# Altium PCB Spektrop2_PCB_Combined_CMV4000_V1.PcbDoc (part 6 of 6) (continued)
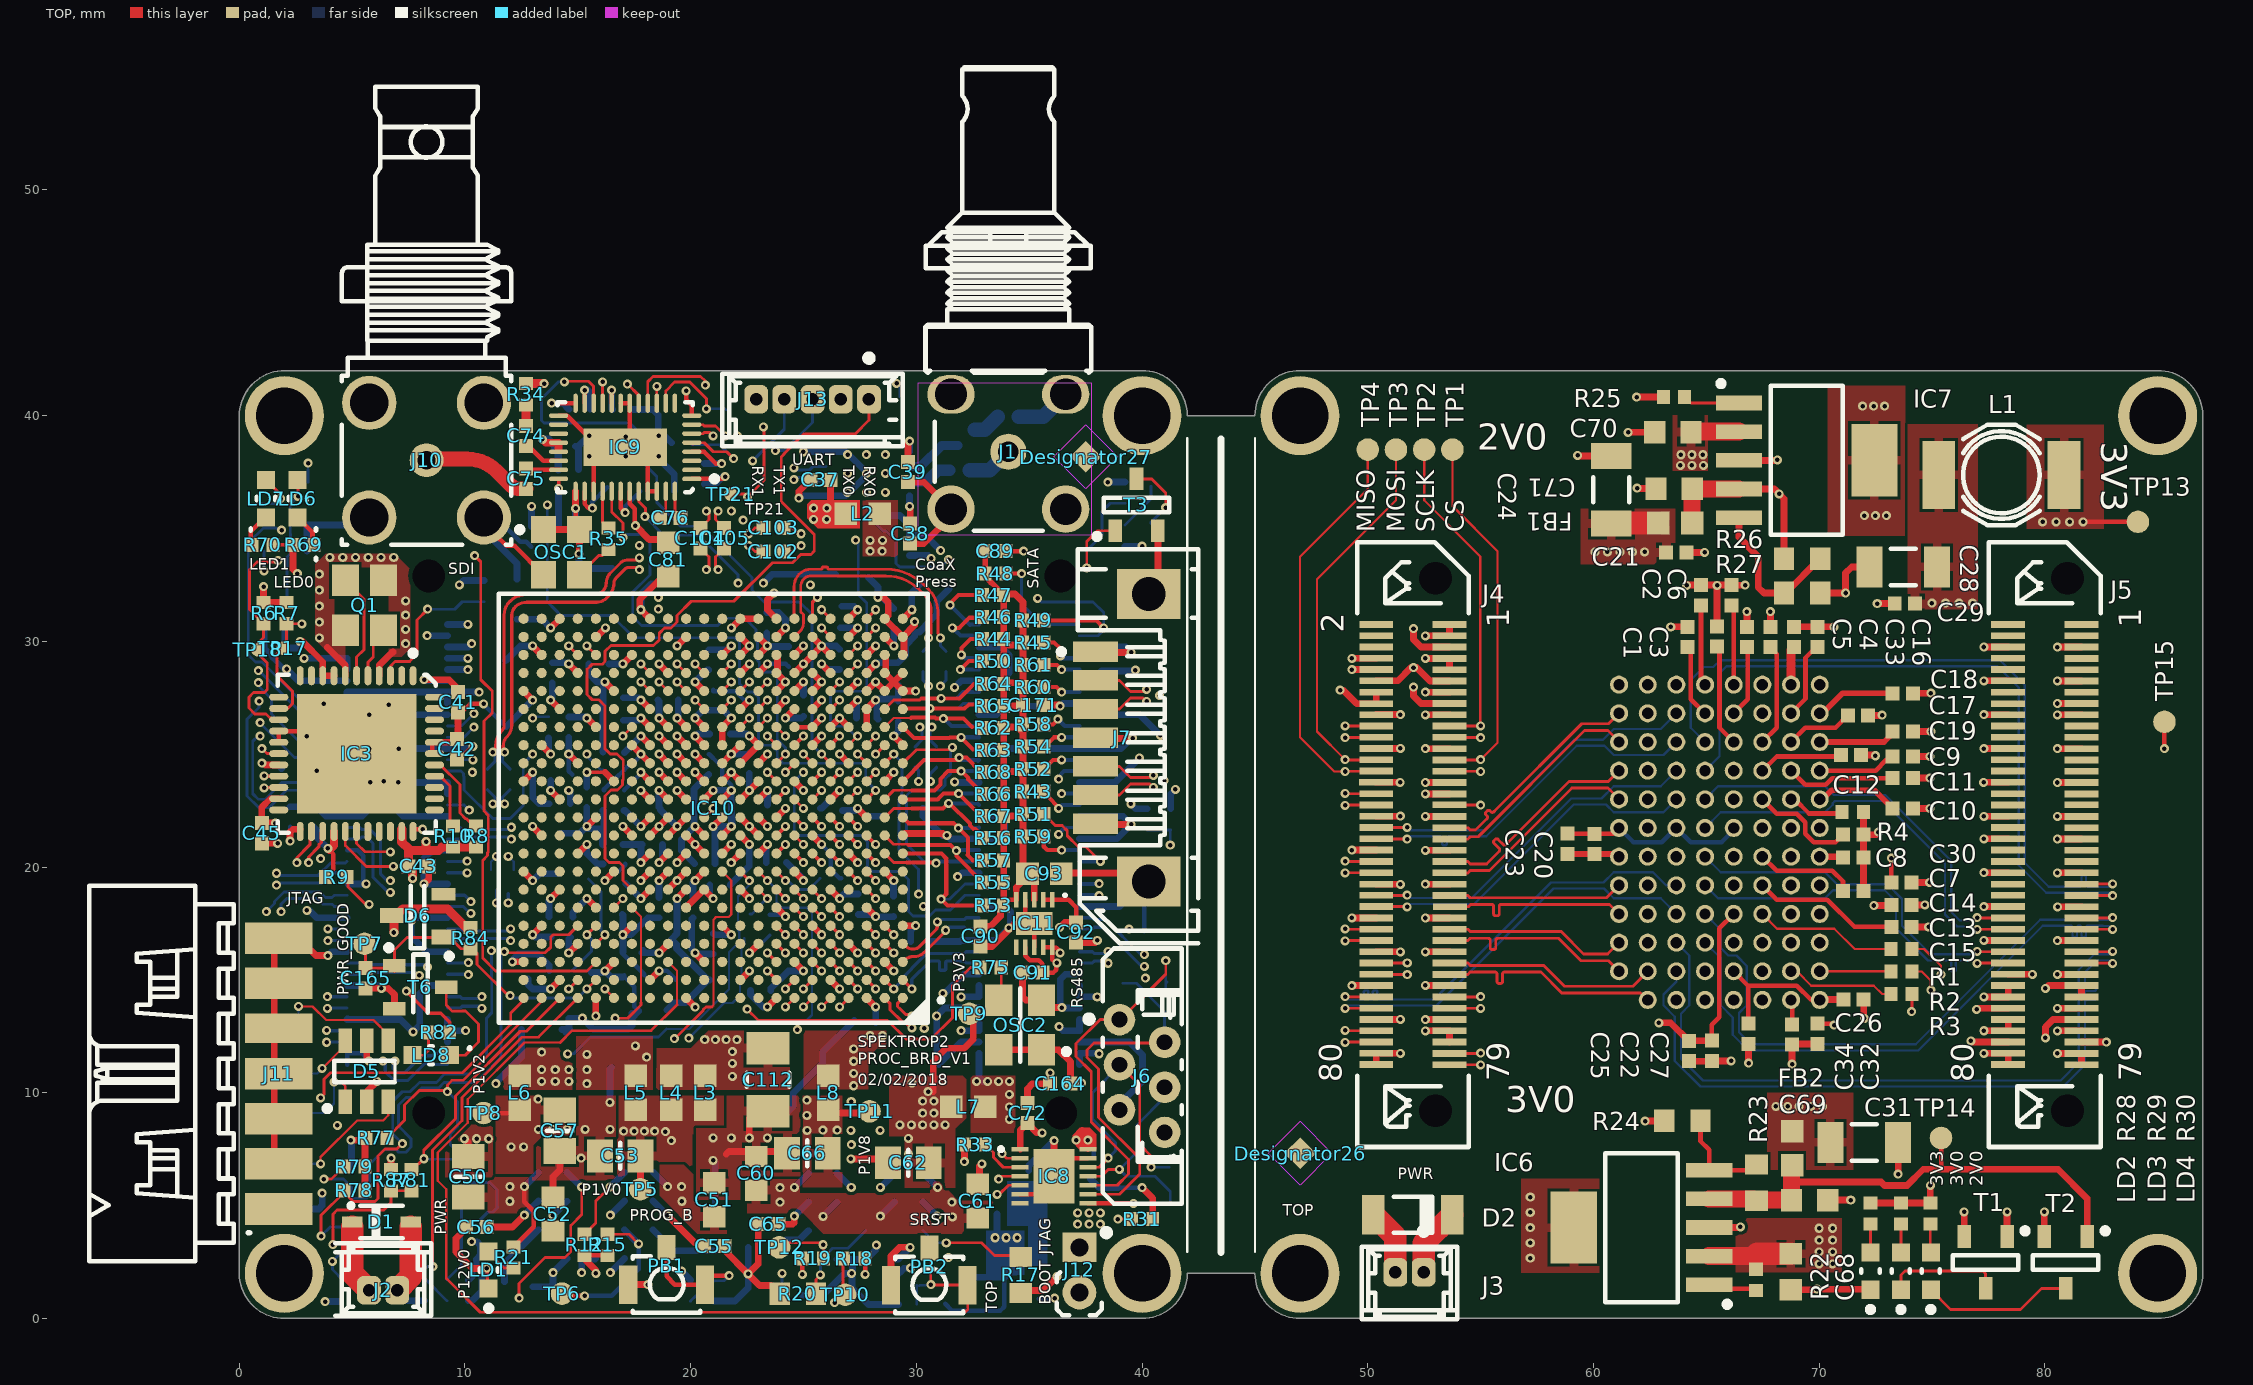
[diagram p0: TOP view]
## Polygon pours and split planes (outlines as drawn) (continued)
MGTAVCC on TOP "TOP_P1V2" (solid, remove dead copper, pour order 26): 18.315,10.125 14.925,10.125 14.925,12.5 18.315,12.5
P1V2 on TOP "TOP_P1V2" (solid, remove dead copper, pour order 8): 14.75,8 13.355,8 13.025,7.67 13.025,6.4 11.375,6.4 11.375,9.875 14.201,9.875 14.75,9.323
P1V8 on TOP "TOP_P1V2" (solid, remove dead copper, pour order 74): 28.661,11.975 28.261,11.975 27.861,11.575 27.861,10.15 25,10.15 25,12.75 28.661,12.75
P3V3_L on TOP "TOP_P1V2" (solid, remove dead copper, pour order 72): 31.725,10.75 32.05,10.75 32.2,10.6 32.2,8.875 31.9,8.575 31.725,8.4 31.725,5.785 29.475,5.785 29.475,8.075 28.8,8.075 28.8,10.75
P3V3 on TOP "TOP_P3V3" (solid, remove dead copper, pour order 68): 34.375,10.75 34.375,8.225 32.4,8.225 32.4,10.75
GND on TOP "TOP_GND" (solid, pour order 100): 14.925,9.875 14.925,7.875 14.85,7.8 14.83,7.82 13.175,7.82 12.975,7.62 12.975,6.125 16.675,6.125 16.675,9.875
VCCO_13 on L5 "L5_VCCO13" (solid, pour order 90): 7.35,27.475 13.225,27.475 14.4,26.3 21.062,26.3 21.062,30.034 21.028,30 15.5,30 14.6,30.9 7.775,30.9 7.775,29.494 3.856,29.494 2.375,29.494 2.375,27.475
P1V2_F on L5 "L5_P1V2_F" (solid, pour order 112): 26.925,36.725 26.925,38.636 27.814,39.525 30.15,39.537 30.15,35.875 29.425,35.15 25.25,35.15 25.25,36.725
GND on L2 "L2_GND" (solid, pour order 118): 4.5,42 4.5,34.25 12.25,34.25 12.25,42
GND on L3-1V8 "L3_GND" (solid, pour order 154): 45.2,41.496 45.2,-0.008 86.5,-0.008 86.5,41.496
VDD20 on L3-1V8 "Top Layer-VDD20" (solid, remove dead copper, pour order 152): 65.707,12.554 57.984,12.554 57.984,36.804 65.51,36.804 71.45,36.804 71.45,12.554
P1V8 on L3-1V8 "L3_P1V8" (solid, remove dead copper, pour order 2): -0.223,41.55 41.775,41.55 41.775,1.5 40.45,0.175 0.271,0.175
XTAL_GND on L1-GND (split plane): 7.696,33.378 7.696,29.804 7.546,29.654 3.704,29.654 3.298,30.06 3.298,33.39 3.887,33.978 7.095,33.978
GND on L1-GND (split plane): 85.176,41.791 85.351,41.765 85.522,41.722 85.689,41.663 85.848,41.587 86,41.496 86.142,41.391 86.273,41.273 86.391,41.142 86.496,41 86.587,40.848 86.663,40.689 86.722,40.522 86.765,40.351 86.791,40.176 86.799,40.007 86.798,40 86.798,2 86.798,1.999 86.8,1.991 86.8,1.988 86.791,1.812 86.765,1.639 86.723,1.469 86.664,1.304 86.589,1.145 86.498,0.995 86.394,0.854 86.276,0.724 86.146,0.606 86.005,0.502 85.855,0.411 85.696,0.336 85.531,0.277 85.361,0.235 85.188,0.209 85.012,0.2 85.009,0.2 85,0.202 47,0.202 46.992,0.201 46.824,0.209 46.649,0.235 46.478,0.278 46.311,0.337 46.152,0.413 46,0.504 45.858,0.609 45.727,0.727 45.609,0.858 45.504,1 45.413,1.152 45.337,1.311 45.278,1.478 45.235,1.649 45.209,1.824 45.201,1.993 45.202,2 45.195,2.052 45.175,2.101 45.143,2.143 45.101,2.175 45.052,2.195 45,2.202 45,39.798 45.052,39.805 45.101,39.825 45.143,39.857 45.175,39.899 45.195,39.948 45.202,40 45.201,40.007 45.209,40.176 45.235,40.351 45.278,40.522 45.337,40.689 45.413,40.848 45.504,41 45.609,41.142 45.727,41.273 45.858,41.391 46,41.496 46.152,41.587 46.311,41.663 46.478,41.722 46.649,41.765 46.824,41.791 46.993,41.799 47,41.798 85,41.798 85.007,41.799
GND on L1-GND (split plane): 2.025,41.798 32.975,41.798 32.975,40.513 31.422,39.075 31.135,39.075 30.136,38.15 29.075,38.15 29.075,36.75 30.725,36.75 31.175,37.2 35.971,37.2 36.615,37.85 36.615,38.91 35.2,40.325 35.2,41.798 40,41.798 40.007,41.799 40.176,41.791 40.351,41.765 40.522,41.722 40.689,41.663 40.848,41.587 41,41.496 41.142,41.391 41.273,41.273 41.391,41.142 41.496,41 41.587,40.848 41.663,40.689 41.722,40.522 41.765,40.351 41.791,40.176 41.799,40.007 41.798,40 41.805,39.948 41.825,39.899 41.857,39.857 41.899,39.825 41.948,39.805 42,39.798 42,2.202 41.948,2.195 41.899,2.175 41.857,2.143 41.825,2.101 41.805,2.052 41.798,2 41.799,1.993 41.791,1.824 41.765,1.649 41.722,1.478 41.663,1.311 41.587,1.152 41.496,1 41.391,0.858 41.273,0.727 41.142,0.609 41,0.504 40.848,0.413 40.689,0.337 40.522,0.278 40.351,0.235 40.176,0.209 40.007,0.201 40,0.202 2,0.202 1.992,0.201 1.824,0.209 1.649,0.235 1.478,0.278 1.311,0.337 1.152,0.413 1,0.504 0.858,0.609 0.727,0.727 0.609,0.858 0.504,1 0.413,1.152 0.337,1.311 0.278,1.478 0.235,1.649 0.209,1.824 0.201,1.992 0.202,2 0.202,39.975 0.201,39.983 0.209,40.154 0.235,40.331 0.279,40.505 0.339,40.673 0.416,40.835 0.508,40.989 0.614,41.133 0.735,41.265 0.867,41.385 1.011,41.492 1.165,41.584 1.327,41.661 1.495,41.721 1.669,41.765 1.846,41.791 2.017,41.799
VDD33 on L4-PWR (split plane): 77.077,31.898 77.077,30.824 76.805,30.551 76.791,30.531 76.786,30.506 76.786,28.586 76.791,28.561 76.805,28.54 76.923,28.422 76.923,27.093 76.923,18.409 76.928,18.384 76.936,18.373 76.936,11.822 75.574,10.46 72.764,10.46 72.764,12.596 72.759,12.62 72.745,12.641 71.845,13.541 71.824,13.555 71.8,13.56 69.826,13.56 69.464,13.922 69.464,17.896 69.459,17.92 69.445,17.941 66.964,20.422 66.964,27.17 67.126,27.332 69.1,27.332 69.124,27.337 69.145,27.351 69.445,27.651 69.459,27.672 69.464,27.696 69.464,29.096 69.464,29.676 69.459,29.701 69.445,29.721 69.017,30.149 68.996,30.163 68.972,30.168 64.824,30.168 64.824,30.656 65.37,31.202 66.4,32.232 76.743,32.232
VDDpix on L4-PWR (split plane): 69.336,29.65 69.336,29.096 69.336,28.996 69.336,27.722 69.074,27.46 67.1,27.46 67.076,27.455 67.055,27.441 66.855,27.241 66.841,27.22 66.836,27.196 66.836,20.396 66.841,20.372 66.855,20.351 69.336,17.87 69.336,13.896 69.341,13.872 69.355,13.851 69.755,13.451 69.776,13.437 69.8,13.432 71.774,13.432 72.636,12.57 72.636,9.06 66.526,9.06 64.164,11.422 64.164,29.401 64.803,30.04 68.946,30.04
P1V0 on L4-PWR (split plane): 29.349,26.068 29.349,18.814 27.355,16.82 27.341,16.799 27.337,16.777 25.754,15.194 25.74,15.174 25.735,15.149 25.735,12.626 23.877,10.767 23.009,9.899 18.464,9.899 18.464,10.935 18.464,12.616 18.459,12.641 18.445,12.661 17.039,14.068 17.039,15.335 17.039,17.775 17.039,25.749 17.801,26.511 29.349,26.511
P3V3 on L4-PWR (split plane): 85.176,41.791 85.351,41.765 85.522,41.722 85.689,41.663 85.848,41.587 86,41.496 86.142,41.391 86.273,41.273 86.391,41.142 86.496,41 86.587,40.848 86.663,40.689 86.722,40.522 86.765,40.351 86.791,40.176 86.799,40.007 86.798,40 86.798,2 86.798,1.999 86.8,1.991 86.8,1.988 86.791,1.812 86.765,1.639 86.723,1.469 86.664,1.304 86.589,1.145 86.498,0.995 86.394,0.854 86.276,0.724 86.146,0.606 86.005,0.502 85.855,0.411 85.696,0.336 85.531,0.277 85.361,0.235 85.188,0.209 85.012,0.2 85.009,0.2 85,0.202 47,0.202 46.992,0.201 46.824,0.209 46.649,0.235 46.478,0.278 46.311,0.337 46.152,0.413 46,0.504 45.858,0.609 45.727,0.727 45.609,0.858 45.504,1 45.413,1.152 45.337,1.311 45.278,1.478 45.235,1.649 45.209,1.824 45.201,1.993 45.202,2 45.195,2.052 45.175,2.101 45.143,2.143 45.101,2.175 45.052,2.195 45,2.202 45,39.798 45.052,39.805 45.101,39.825 45.143,39.857 45.175,39.899 45.195,39.948 45.202,40 45.201,40.007 45.209,40.176 45.235,40.351 45.278,40.522 45.337,40.689 45.413,40.848 45.504,41 45.609,41.142 45.727,41.273 45.858,41.391 46,41.496 46.152,41.587 46.311,41.663 46.478,41.722 46.649,41.765 46.824,41.791 46.993,41.799 47,41.798 85,41.798 85.007,41.799
P1V2 on L4-PWR (split plane): 30.555,33.78 30.576,33.766 30.6,33.761 31.124,33.761 33.638,31.247 33.638,30.574 33.643,30.549 33.656,30.528 33.836,30.349 33.836,17.026 31.169,14.359 31.155,14.338 31.15,14.314 31.15,12.54 26.674,8.064 12.518,8.064 12.518,10.036 14.949,10.036 15.195,9.79 15.216,9.776 15.24,9.771 23.035,9.771 23.059,9.776 23.08,9.79 23.967,10.677 25.844,12.554 25.858,12.575 25.863,12.599 25.863,15.123 27.445,16.705 27.459,16.726 27.463,16.748 29.457,18.742 29.471,18.763 29.476,18.787 29.476,26.068 29.476,26.586 30.245,27.355 30.259,27.376 30.264,27.4 30.264,31.435 30.259,31.459 30.245,31.48 28.93,32.795 28.909,32.809 28.885,32.814 28.101,32.814 27.364,33.551 27.364,34.911 29.424,34.911
MGTAVCC on L4-PWR (split plane): 24.638,29.401 24.659,29.387 24.683,29.382 30.136,29.382 30.136,27.426 29.367,26.657 29.355,26.639 17.775,26.639 17.751,26.634 17.73,26.62 16.93,25.82 16.916,25.799 16.911,25.775 16.911,17.775 16.911,15.335 16.911,14.041 16.916,14.017 16.93,13.996 18.336,12.59 18.336,10.935 18.336,9.899 15.266,9.899 15.039,10.126 15.039,11.18 15.034,11.204 15.02,11.225 12.339,13.906 12.339,15.675 12.334,15.699 12.32,15.72 12.114,15.926 12.114,17.624 12.245,17.755 12.259,17.776 12.264,17.8 12.264,22.013 12.259,22.038 12.245,22.058 12.114,22.19 12.114,22.85 12.114,27.224 15.401,30.511 23.527,30.511
MGTAVTT on L4-PWR (split plane): 27.236,33.525 27.241,33.501 27.255,33.48 28.03,32.705 28.051,32.691 28.075,32.686 28.858,32.686 30.136,31.408 30.136,29.509 24.71,29.509 23.599,30.62 23.578,30.634 23.554,30.639 15.375,30.639 15.351,30.634 15.33,30.62 12.005,27.295 11.991,27.274 11.986,27.25 11.986,22.85 11.986,22.163 11.991,22.139 12.005,22.118 12.136,21.987 12.136,17.826 12.005,17.695 11.991,17.674 11.986,17.65 11.986,15.9 11.991,15.876 12.005,15.855 12.211,15.649 12.211,13.88 12.216,13.855 12.23,13.834 14.911,11.153 14.911,10.164 10.551,10.164 7.964,12.751 7.964,20.4 7.964,27.724 9.47,29.23 9.48,29.245 9.495,29.255 10.145,29.905 11.47,31.23 15.051,34.811 27.2,34.811 27.224,34.816 27.236,34.824
P3V3 on L4-PWR (split plane): 2.025,41.798 30.925,41.798 30.925,38.848 30.171,38.15 29.075,38.15 29.075,36.75 30.2,36.75 31.09,35.86 36.615,35.86 36.615,41.798 40,41.798 40.007,41.799 40.176,41.791 40.351,41.765 40.522,41.722 40.689,41.663 40.848,41.587 41,41.496 41.142,41.391 41.273,41.273 41.391,41.142 41.496,41 41.587,40.848 41.663,40.689 41.722,40.522 41.765,40.351 41.791,40.176 41.799,40.007 41.798,40 41.805,39.948 41.825,39.899 41.857,39.857 41.899,39.825 41.948,39.805 42,39.798 42,2.202 41.948,2.195 41.899,2.175 41.857,2.143 41.825,2.101 41.805,2.052 41.798,2 41.799,1.993 41.791,1.824 41.765,1.649 41.722,1.478 41.663,1.311 41.587,1.152 41.496,1 41.391,0.858 41.273,0.727 41.142,0.609 41,0.504 40.848,0.413 40.689,0.337 40.522,0.278 40.351,0.235 40.176,0.209 40.007,0.201 40,0.202 31.064,0.202 31.064,3.099 32.045,4.08 32.059,4.101 32.064,4.125 32.064,6.575 32.059,6.599 32.045,6.62 32.024,6.634 32,6.639 0.202,6.639 0.202,39.975 0.201,39.983 0.209,40.154 0.235,40.331 0.279,40.505 0.339,40.673 0.416,40.835 0.508,40.989 0.614,41.133 0.735,41.265 0.867,41.385 1.011,41.492 1.165,41.584 1.327,41.661 1.495,41.721 1.669,41.765 1.846,41.791 2.017,41.799
P12V0 on L4-PWR (split plane): 31.936,4.151 30.955,3.17 30.941,3.149 30.936,3.125 30.936,0.202 2,0.202 1.992,0.201 1.824,0.209 1.649,0.235 1.478,0.278 1.311,0.337 1.152,0.413 1,0.504 0.858,0.609 0.727,0.727 0.609,0.858 0.504,1 0.413,1.152 0.337,1.311 0.278,1.478 0.235,1.649 0.209,1.824 0.201,1.992 0.202,2 0.202,6.511 31.936,6.511
GND on L6-P2V5 (split plane): 85.176,41.791 85.351,41.765 85.522,41.722 85.689,41.663 85.848,41.587 86,41.496 86.142,41.391 86.273,41.273 86.391,41.142 86.496,41 86.587,40.848 86.663,40.689 86.722,40.522 86.765,40.351 86.791,40.176 86.799,40.007 86.798,40 86.798,2 86.798,1.999 86.8,1.991 86.8,1.988 86.791,1.812 86.765,1.639 86.723,1.469 86.664,1.304 86.589,1.145 86.498,0.995 86.394,0.854 86.276,0.724 86.146,0.606 86.005,0.502 85.855,0.411 85.696,0.336 85.531,0.277 85.361,0.235 85.188,0.209 85.012,0.2 85.009,0.2 85,0.202 47,0.202 46.992,0.201 46.824,0.209 46.649,0.235 46.478,0.278 46.311,0.337 46.152,0.413 46,0.504 45.858,0.609 45.727,0.727 45.609,0.858 45.504,1 45.413,1.152 45.337,1.311 45.278,1.478 45.235,1.649 45.209,1.824 45.201,1.993 45.202,2 45.195,2.052 45.175,2.101 45.143,2.143 45.101,2.175 45.052,2.195 45,2.202 45,39.798 45.052,39.805 45.101,39.825 45.143,39.857 45.175,39.899 45.195,39.948 45.202,40 45.201,40.007 45.209,40.176 45.235,40.351 45.278,40.522 45.337,40.689 45.413,40.848 45.504,41 45.609,41.142 45.727,41.273 45.858,41.391 46,41.496 46.152,41.587 46.311,41.663 46.478,41.722 46.649,41.765 46.824,41.791 46.993,41.799 47,41.798 85,41.798 85.007,41.799
P2V5 on L6-P2V5 (split plane): 2.025,41.798 30.925,41.798 30.925,38.848 30.171,38.15 29.075,38.15 29.075,36.75 30.2,36.75 31.09,35.86 36.615,35.86 36.615,41.798 40,41.798 40.007,41.799 40.176,41.791 40.351,41.765 40.522,41.722 40.689,41.663 40.848,41.587 41,41.496 41.142,41.391 41.273,41.273 41.391,41.142 41.496,41 41.587,40.848 41.663,40.689 41.722,40.522 41.765,40.351 41.791,40.176 41.799,40.007 41.798,40 41.805,39.948 41.825,39.899 41.857,39.857 41.899,39.825 41.948,39.805 42,39.798 42,2.202 41.948,2.195 41.899,2.175 41.857,2.143 41.825,2.101 41.805,2.052 41.798,2 41.799,1.993 41.791,1.824 41.765,1.649 41.722,1.478 41.663,1.311 41.587,1.152 41.496,1 41.391,0.858 41.273,0.727 41.142,0.609 41,0.504 40.848,0.413 40.689,0.337 40.522,0.278 40.351,0.235 40.176,0.209 40.007,0.201 40,0.202 2,0.202 1.992,0.201 1.824,0.209 1.649,0.235 1.478,0.278 1.311,0.337 1.152,0.413 1,0.504 0.858,0.609 0.727,0.727 0.609,0.858 0.504,1 0.413,1.152 0.337,1.311 0.278,1.478 0.235,1.649 0.209,1.824 0.201,1.992 0.202,2 0.202,39.975 0.201,39.983 0.209,40.154 0.235,40.331 0.279,40.505 0.339,40.673 0.416,40.835 0.508,40.989 0.614,41.133 0.735,41.265 0.867,41.385 1.011,41.492 1.165,41.584 1.327,41.661 1.495,41.721 1.669,41.765 1.846,41.791 2.017,41.799

## Keep-outs
Keep-Out Layer:
  region: 30.075,41.45 37.75,41.45 37.75,34.7 30.075,34.7

## Other copper
TOP:
  region net P1V2_F: 25.175,36.075 25.35,36.25 27.5,36.25 27.5,35 25.625,35 25.175,35.45
  region net P3V3: 37.975,7.5 37.225,7.5 36.925,7.8 36.925,8.125 37.25,8.45 37.675,8.45 37.975,8.15
  text ".Layer_Name" at 177.02,29.323 h1.91 r45
  text "1" at 176.861,24.56 h2.54
L2:
  text ".Layer_Name" at 187.18,29.323 h1.91 r45
  text "3" at 186.704,24.56 h2.54
L3-1V8:
  pour cut-out: 30.925,38.848 30.925,41.161 31.464,41.7 33.212,41.7 36.615,41.7 36.615,35.86 31.09,35.86 30.2,36.75 29.075,36.75 29.075,38.15 30.171,38.15
  pour cut-out: 3.275,33.875 3.275,29.5 7.525,29.5 7.525,33.875
  text ".Layer_Name" at 192.555,30.073 h1.91 r45
  text "4" at 191.784,24.56 h2.54
L5:
  pour cut-out: 30.925,38.848 30.925,41.161 31.464,41.7 36.615,41.7 36.615,35.86 31.09,35.86 30.2,36.75 29.175,36.75 29.175,38.15 30.171,38.15
  pour cut-out: 3.275,33.875 3.275,29.75 7.525,29.75 7.525,33.875
  text ".Layer_Name" at 202.81,29.923 h1.91 r45
  text "6" at 200.98,24.51 h2.54
BTM:
  region net GND: 34.775,1.925 34.775,3.875 33.1,3.875 33.1,1.825
  region net P2V5_R: 35.8,2.325 34.95,2.325 34.95,4.1 34.025,4.1 34.025,6.075 35.8,6.075
  text ".Layer_Name" at 216.5,33.7 h1.91 r45
  text "8" at 208.775,24.5 h2.54
L1-GND (plane layer: these items are gaps in the copper):
  rectangle: 174.798,23.29 179.878,28.37
  rectangle: 184.958,23.29 211.325,28.37
  pour cut-out: 42,40 45,40 45,2 42,2
  pour cut-out: 35.971,37.2 31.175,37.2 30.725,36.75 29.075,36.75 29.075,38.15 30.136,38.15 31.135,39.075 31.422,39.075 32.975,40.513 32.975,41.825 35.2,41.825 35.2,40.325 36.615,38.91 36.615,37.85
  pour cut-out: 24.175,38.05 24.175,36.6 26.675,36.6 26.675,38.05
  pour cut-out: 11.45,37.025 12.025,36.45 12.225,36.425 12.975,35.675 13.8,35.675 13.8,37.225 14.5,37.225 14.5,39.025 13.55,39.025 13.55,41.125 12.4,41.125 12.4,38.75 9.35,38.75 9,39.1 7.1,39.1 7.1,37.025
  pour cut-out: 20.411,35.494 20.411,35.883 20.553,36.025 21.344,36.025 21.484,35.886 21.484,35.494 21.925,35.494 21.925,33.275 19.95,33.275 19.95,35.494
  lines w0.254: 3.169,30.006 3.169,33.444 3.833,34.108 7.149,34.108 7.825,33.432 7.825,29.75 7.6,29.525 3.65,29.525 3.169,30.006
  text ".Layer_Name" at 182.418,29.64 h1.91 r45
  text "2" at 181.624,24.56 h2.54
L4-PWR (plane layer: these items are gaps in the copper):
  pour cut-out: 42,39.975 45,39.975 45,2 42,2
  pour cut-out: 30.925,38.848 30.925,41.875 36.615,41.875 36.615,35.86 31.09,35.86 30.2,36.75 29.075,36.75 29.075,38.15 30.171,38.15
  pour cut-out: 3.275,33.875 3.275,29.7 7.525,29.7 7.525,33.875
  pour cut-out: 17.614,34.124 17.614,33.964 17.811,33.964 17.811,34.124
  pour cut-out: 28.126,31.816 28.126,31.4 28.425,31.399 28.425,31.825 28.3,31.95
  lines w0.125: -0.05,6.575 12.872,6.575 32,6.575 32,4.125 31,3.125 31,0.05 31.025,0.025 ; 12.454,10.075 12.454,8 26.7,8 31.214,12.514 31.214,14.314 33.9,17 33.9,30.375 33.701,30.574 33.701,31.274 31.15,33.825 30.6,33.825 29.45,34.975 27.325,34.975 ; 17.51,9.835 15.24,9.835 14.975,10.1 ; 29.412,26.575 24.268,26.575 22.7,26.575 17.775,26.575 16.975,25.775 16.975,17.775 16.975,15.335 16.975,14.041 18.4,12.616 18.4,10.935 18.4,9.835 17.3,9.835 23.035,9.835 23.922,10.722 25.799,12.599 25.799,15.149 27.4,16.75 27.4,16.775 29.412,18.787 29.412,26.068 29.412,26.612 30.2,27.4 30.2,31.435 28.885,32.75 28.075,32.75 27.3,33.525 27.3,34.975 27.2,34.875 15.025,34.875 11.425,31.275 ; 30.175,29.446 24.683,29.446 23.554,30.575 15.375,30.575 12.05,27.25 12.05,22.85 12.05,22.163 12.2,22.013 12.2,17.8 12.05,17.65 12.05,15.9 12.275,15.675 12.275,13.88 14.975,11.18 14.975,10.1 ; 64.76,30.088 64.1,29.427 64.1,11.396 66.5,8.996 72.7,8.996 72.7,12.596 71.8,13.496 69.8,13.496 69.4,13.896 69.4,17.896 66.9,20.396 66.9,27.196 67.1,27.396 69.1,27.396 69.4,27.696 69.4,29.096 ; 69.4,28.996 69.4,29.676 68.972,30.104 67.144,30.104 66.244,30.104 64.76,30.104 64.76,30.682 65.325,31.247 66.374,32.296 66.9,32.296 71.5,32.296 76.77,32.296 77.141,31.925 77.141,30.798 76.85,30.506 76.85,28.586 76.987,28.448 76.987,27.093 76.987,18.409 77,18.396 77,11.796 75.6,10.396 72.764,10.396 ; 11.425,31.275 11.425,31.275 ; 11.425,31.275 10.1,29.95 9.45,29.3 9.425,29.3 9.425,29.275 7.9,27.75 7.9,20.4 7.9,12.725 10.525,10.1 14.975,10.1
  lines w0.2: 31.988,0 32,0.012
  text ".Layer_Name" at 197.71,30.198 h1.91 r45
  text "5" at 196.705,24.56 h2.54
L6-P2V5 (plane layer: these items are gaps in the copper):
  rectangle: 200.198,23.29 203.69,28.37
  rectangle: 174.798,23.29 195.118,28.37
  rectangle: 207.748,23.39 211.24,28.47
  pour cut-out: 42,40 45,40 45,2 42,2
  pour cut-out: 30.925,38.848 30.925,42 36.615,42 36.615,35.86 31.09,35.86 30.2,36.75 29.075,36.75 29.075,38.15 30.171,38.15
  pour cut-out: 3.275,33.875 3.275,29.5 7.525,29.5 7.525,33.775 7.425,33.875
  pour cut-out: 24.325,38.075 26.575,38.075 26.575,36.725 24.325,36.725
  text ".Layer_Name" at 207.89,29.923 h1.91 r45
  text "7" at 205.105,24.56 h2.54

## Silkscreen, mask and mechanical layers (free items; w line width, h text height)
Top Overlay:
  pour cut-out: 37.731,41.679 37.731,34.683 30.054,34.683 30.054,41.679
  lines w0.1: 42,2.95 42,39 ; 45,2.95 45,39
  lines w0.125: 6.9,10.475 6.9,11.425 ; 6.9,11.425 ccw(c6.9,11.425) 6.9,11.425
  lines w0.2: 0.5,34.9 0.5,35 ; 3.4,33.6 3.4,33.7 ; 3.4,34.9 3.4,35
  lines w0.254: 0.4,3.8 0.45,3.8 ; 36.575,18.75 36.6,18.75
  lines w0.3: 43.5,2.925 43.5,38.975
  text "3V3" at 82.1,38.846 h2 r270
  text "2V0" at 54.85,38.096 h2
  text "UART" at 24.5,37.8 h0.5
  text "RX1" at 22.725,37.775 h0.5 r270
  text "TX1" at 23.675,37.775 h0.5 r270
  text "TX0" at 26.75,37.775 h0.5 r270
  text "RX0" at 27.7,37.775 h0.5 r270
  text "TP21" at 22.425,35.6 h0.5
  text "MISO" at 50.316,34.825 h0.8 r90
  text "MOSI" at 51.632,34.825 h0.8 r90
  text "SCLK" at 52.947,34.825 h0.8 r90
  text "CS" at 54.263,34.825 h0.8 r90
  text "LED1" at 0.45,33.175 h0.5
  text "SDI" at 9.25,32.975 h0.5
  text "CoaX / Press" at 29.95,32.4 h0.5
  text "LED0" at 1.525,32.375 h0.5
  text "SATA" at 35.425,32.325 h0.5 r90
  text ".Layer_Name" at 171.94,29.323 h1.91 r45
  text "JTAG" at 2.125,18.375 h0.5
  text "P3V3" at 32.15,14.45 h0.5 r90
  text "PWR_GOOD" at 4.85,14.325 h0.5 r90
  text "RS485" at 37.375,13.75 h0.5 r90
  text "SPEKTROP2" at 27.404,12.012 h0.5
  text "PROC_BRD_V1" at 27.404,11.252 h0.5
  text "02/02/2018" at 27.404,10.326 h0.5
  text "P1V2" at 10.867,9.942 h0.5 r90
  text "3V0" at 56.1,8.746 h2
  text "P1V8" at 27.95,6.35 h0.5 r90
  text "PWR" at 51.325,6.171 h0.5
  text "3V3" at 75.7,5.846 h1 r90
  text "3V0" at 76.575,5.846 h1 r90
  text "2V0" at 77.45,5.846 h1 r90
  text "P1V0" at 15.175,5.45 h0.5
  text "TOP" at 46.225,4.546 h0.5
  text "PROG_B" at 17.3,4.325 h0.5
  text "SRST" at 29.7,4.125 h0.5
  text "PWR" at 9.175,3.7 h0.5 r90
  text "JTAG" at 35.95,2.825 h0.5 r90
  text "P12V0" at 10.203,0.847 h0.5 r90
  text "BOOT" at 35.95,0.6 h0.5 r90
  text "TOP" at 33.575,0.275 h0.5 r90
Bottom Overlay:
  lines w0.1: 42,2.95 42,39 ; 45,2.95 45,39
  lines w0.125: 45.4,20.996 55.8,20.996 ; 66,0.396 66,10.796 ; 66,30.996 66,41.396 ; 75.8,20.996 86.2,20.996
  lines w0.254: 41.5,13.95 41.5,14
  lines w0.3: 43.5,2.925 43.5,38.975
  lines w1: 55.325,12.507 55.457,12.507
  text ".Layer_Name" at 232.496,44.28 h1.91 r45
  text "TP22" at 30.525,39.75 h0.5
  text "TP19" at 20.275,39.45 h0.5
  text "02/02/2018" at 56.3,32.3 h0.5 r270
  text "CMV4000" at 57.137,32.3 h0.5 r270
  text "SENSOR_BRD_V1" at 58.058,32.3 h0.5 r270
  text "SPEKTROP2" at 58.812,32.3 h0.5 r270
  text "TP20" at 15.325,32.025 h0.5
  text "OPTICAL" at 84.45,18.996 h2
  text "CENTER" at 84.45,17.196 h2
  text "LINE" at 84.45,15.396 h2
  text "BTM" at 32.675,5.3 h0.5 r90
  text "BTM" at 47.65,4.571 h0.5
  text "LINE" at 60.05,2.596 h2 r270
  text "CENTER" at 61.85,2.596 h2 r270
  text "OPTICAL" at 63.65,2.596 h2 r270
Top Paste:
  text ".Layer_Name" at 171.94,29.323 h1.91 r45
Bottom Paste:
  text ".Layer_Name" at 231.068,42.851 h1.91 r45
Top Solder:
  region: 36.05,16.15 36.05,15.875 36.25,15.875 36.25,16.25
  region: 1.15,24.187 1.15,23.887 1.525,23.948 1.525,24.148
  region: 1.15,23.662 1.15,23.362 1.525,23.423 1.525,23.623
  region: 6.5,6.825 6.5,7.075 6.925,7.075 6.925,6.825
  region: 7.5,19.75 7.5,19.525 7.825,19.525 7.825,19.75
  text ".Layer_Name" at 171.94,29.323 h1.91 r45
Bottom Solder:
  text ".Layer_Name" at 231.066,42.904 h1.91 r45
Mechanical 1:
  drawing of 905 lines, arcs and shapes, not listed
  text "Layer" at 175.398,132.128 h1.52
  text "Name" at 185.809,132.128 h1.52
  text "Material" at 209.425,132.128 h1.52
  text "Thickness" at 231.263,132.128 h1.52
  text "Constant" at 247.769,132.128 h1.52
  text "Board Layer Stack" at 262.243,132.128 h1.52
  text "Board Layer Stack" at 290.683,132.128 h1.52
  text "1" at 175.398,129.08 h1.52
  text "Top Overlay" at 185.809,129.08 h1.52
  text "2" at 175.398,126.032 h1.52
  text "Top Solder" at 185.809,126.032 h1.52
  text "Solder Resist" at 209.425,126.032 h1.52
  text "0.010mm" at 231.263,126.032 h1.52
  text "3.5" at 247.769,126.032 h1.52
  text "3" at 175.398,122.984 h1.52
  text "TOP" at 185.809,122.984 h1.52
  text "Copper" at 209.425,122.984 h1.52
  text "0.053mm" at 231.263,122.984 h1.52
  text "4" at 175.398,119.936 h1.52
  text "Dielectric 1" at 185.809,119.936 h1.52
  text "FR-4" at 209.425,119.936 h1.52
  text "0.110mm" at 231.263,119.936 h1.52
  text "4.2" at 247.769,119.936 h1.52
  text "5" at 175.398,116.888 h1.52
  text "L1-GND" at 185.809,116.888 h1.52
  text "Copper" at 209.425,116.888 h1.52
  text "0.018mm" at 231.263,116.888 h1.52
  text "6" at 175.398,113.84 h1.52
  text "Dielectric 3" at 185.809,113.84 h1.52
  text "0.300mm" at 231.263,113.84 h1.52
  text "4.2" at 247.769,113.84 h1.52
  text "7" at 175.398,110.792 h1.52
  text "L2" at 185.809,110.792 h1.52
  text "Copper" at 209.425,110.792 h1.52
  text "0.018mm" at 231.263,110.792 h1.52
  text "8" at 175.398,107.744 h1.52
  text "Dielectric 6" at 185.809,107.744 h1.52
  text "0.110mm" at 231.263,107.744 h1.52
  text "4.2" at 247.769,107.744 h1.52
  text "9" at 175.398,104.696 h1.52
  text "L3-1V8" at 185.809,104.696 h1.52
  text "Copper" at 209.425,104.696 h1.52
  text "0.035mm" at 231.263,104.696 h1.52
  text "10" at 175.398,101.648 h1.52
  text "Dielectric 5" at 185.809,101.648 h1.52
  text "0.300mm" at 231.263,101.648 h1.52
  text "4.2" at 247.769,101.648 h1.52
  text "11" at 175.398,98.6 h1.52
  text "L4-PWR" at 185.809,98.6 h1.52
  text "Copper" at 209.425,98.6 h1.52
  text "0.035mm" at 231.263,98.6 h1.52
  text "12" at 175.398,95.552 h1.52
  text "Dielectric 4" at 185.809,95.552 h1.52
  text "0.110mm" at 231.263,95.552 h1.52
  text "4.2" at 247.769,95.552 h1.52
  text "13" at 175.398,92.504 h1.52
  text "L5" at 185.809,92.504 h1.52
  text "Copper" at 209.425,92.504 h1.52
  text "0.018mm" at 231.263,92.504 h1.52
  text "14" at 175.398,89.456 h1.52
  text "Dielectric 7" at 185.809,89.456 h1.52
  text "0.300mm" at 231.263,89.456 h1.52
  text "4.2" at 247.769,89.456 h1.52
  text "15" at 175.398,86.408 h1.52
  text "L6-P2V5" at 185.809,86.408 h1.52
  text "Copper" at 209.425,86.408 h1.52
  text "0.018mm" at 231.263,86.408 h1.52
  text "16" at 175.398,83.36 h1.52
  text "Dielectric 8" at 185.809,83.36 h1.52
  text "0.110mm" at 231.263,83.36 h1.52
  text "4.2" at 247.769,83.36 h1.52
  text "17" at 175.398,80.312 h1.52
  text "BTM" at 185.809,80.312 h1.52
  text "Copper" at 209.425,80.312 h1.52
  text "0.053mm" at 231.263,80.312 h1.52
  text "18" at 175.398,77.264 h1.52
  text "Bottom Solder" at 185.809,77.264 h1.52
  text "Solder Resist" at 209.425,77.264 h1.52
  text "0.010mm" at 231.263,77.264 h1.52
  text "3.5" at 247.769,77.264 h1.52
  text "19" at 175.398,74.216 h1.52
  text "Bottom Overlay" at 185.809,74.216 h1.52
Mechanical 5:
  lines w0.254: 179.878,23.29 179.878,28.37 ; 184.958,23.29 184.958,28.37 ; 190.038,23.29 190.038,28.37 ; 195.118,23.29 195.118,28.37 ; 200.198,23.29 200.198,28.37 ; 203.575,23.32 203.575,28.4 ; 207.8,23.375 207.8,28.3 ; 174.798,23.29 211.275,23.29 211.275,28.37 174.798,28.37 174.798,23.29
Mechanical 6:
  lines w0.254: 176.118,53.27 227.65,53.27 ; 176.118,56.445 227.525,56.445 ; 176.118,59.62 227.525,59.62 ; 190.088,50.095 190.088,62.795 ; 176.118,50.095 176.118,62.795 227.525,62.795 227.525,50.095 176.118,50.095
  text "Number" at 177.388,60.255 h1.91
  text "SPEKTROP2_PROC_BRD_V1" at 191.358,60.255 h1.91
  text "Drawn By" at 177.388,57.08 h1.91
  text "P. ZDUNEK" at 191.358,57.08 h1.91
  text "DATE" at 177.388,53.905 h1.91
  text "01.2018" at 191.358,53.905 h1.91
  text "MOD." at 177.388,50.73 h1.91
  text "-" at 191.358,50.73 h1.91
  text "Print Date" at 177.388,47.555 h1.27
  text ".Print_Date" at 192.628,47.555 h1.27
  text ".Print_Time" at 205.328,47.555 h1.27
  text ".Print_Scale" at 177.388,45.015 h1.27
Notvisible:
  lines w0.254: 174.798,29.64 216.35,29.64 ; 177.973,29.64 185.593,37.26 ; 183.053,29.64 190.673,37.26 ; 188.133,29.64 195.753,37.26 ; 193.213,29.64 200.833,37.26 ; 198.293,29.64 205.913,37.26 ; 203.373,29.64 210.993,37.26 ; 208.698,29.715 216.318,37.335
Board Outline:
  lines w0.125: 44.999,2.001 42,2.001 cw(c39.999,2.001) 39.999,0 2,0 cw(c2,2) 0,2 0,40 cw(c2,40) 2,42 40,42 ; 45,2 ccw(c47,2) 47,0 84.999,0 ccw(c84.999,2.001) 87,2.001 87,40 ccw(c85,40) 85,42 ; 40,42 cw(c40,40) 42,40 45,40 cw(c47,40) 47,42 85,42 ; 40,42 ccw(c40,42) 40,42 ; 85,42 ccw(c85,42) 85,42
VCut Line:
  lines w0.3: 43.5,2.15 43.5,39.825

## Dimensions
87,40 to 0,40 on Mechanical 1
47,2 to 85,2 on Mechanical 1
87.075,1.95 to 45.075,0 on Mechanical 1
2,2 to 40,2 on Mechanical 1
2,2 to 2,40 on Mechanical 1
2,42 to 0.075,0 on Mechanical 1
42,2.001 to 0,0 on Mechanical 1

## Text inside footprints (layer, text, board x,y; h text height)
IC4: Mechanical 14 "5" at 12.231,2.787 h0.4 r90; Mechanical 14 "4" at 12.231,4.057 h0.4 r90; Mechanical 14 "3" at 12.231,5.327 h0.4 r90; Mechanical 14 "2" at 12.231,6.597 h0.4 r90; Mechanical 14 "1" at 12.231,7.867 h0.4 r90; Mechanical 14 "A" at 13.382,9.01 h0.4 r90; Mechanical 14 "B" at 14.652,9.01 h0.4 r90; Mechanical 14 "C" at 15.922,9.01 h0.4 r90; Mechanical 14 "D" at 17.192,9.01 h0.4 r90; Mechanical 14 "E" at 18.462,9.01 h0.4 r90
IC5: Mechanical 14 "5" at 24.196,2.747 h0.4 r90; Mechanical 14 "4" at 24.196,4.017 h0.4 r90; Mechanical 14 "3" at 24.196,5.287 h0.4 r90; Mechanical 14 "2" at 24.196,6.557 h0.4 r90; Mechanical 14 "1" at 24.196,7.827 h0.4 r90; Mechanical 14 "A" at 25.347,8.97 h0.4 r90; Mechanical 14 "B" at 26.617,8.97 h0.4 r90; Mechanical 14 "C" at 27.887,8.97 h0.4 r90; Mechanical 14 "D" at 29.157,8.97 h0.4 r90; Mechanical 14 "E" at 30.427,8.97 h0.4 r90
IC10: Mechanical 14 "AB" at 31.899,31.3 h0.6 r180; Mechanical 14 "AA" at 31.899,30.5 h0.6 r180; Mechanical 14 "Y" at 31.399,29.7 h0.6 r180; Mechanical 14 "W" at 31.399,28.9 h0.6 r180; Mechanical 14 "V" at 31.399,28.1 h0.6 r180; Mechanical 14 "U" at 31.399,27.3 h0.6 r180; Mechanical 14 "T" at 31.399,26.5 h0.6 r180; Mechanical 14 "R" at 31.399,25.7 h0.6 r180; Mechanical 14 "P" at 31.399,24.9 h0.6 r180; Mechanical 14 "N" at 31.399,24.1 h0.6 r180; Mechanical 14 "M" at 31.399,23.3 h0.6 r180; Mechanical 14 "L" at 31.399,22.5 h0.6 r180; Mechanical 14 "K" at 31.399,21.7 h0.6 r180; Mechanical 14 "J" at 31.399,20.9 h0.6 r180; Mechanical 14 "H" at 31.399,20.1 h0.6 r180; Mechanical 14 "G" at 31.399,19.3 h0.6 r180; Mechanical 14 "F" at 31.399,18.5 h0.6 r180; Mechanical 14 "E" at 31.399,17.7 h0.6 r180; Mechanical 14 "D" at 31.399,16.9 h0.6 r180; Mechanical 14 "C" at 31.399,16.1 h0.6 r180; Mechanical 14 "B" at 31.399,15.3 h0.6 r180; Mechanical 14 "A" at 31.399,14.5 h0.6 r180; Mechanical 14 "2" at 28.299,12.6 h0.6 r270; Mechanical 14 "3" at 27.499,12.6 h0.6 r270; Mechanical 14 "4" at 26.699,12.6 h0.6 r270; Mechanical 14 "5" at 25.899,12.6 h0.6 r270; Mechanical 14 "16" at 17.099,12.6 h0.6 r270; Mechanical 14 "15" at 17.899,12.6 h0.6 r270; Mechanical 14 "14" at 18.699,12.6 h0.6 r270; Mechanical 14 "13" at 19.499,12.6 h0.6 r270; Mechanical 14 "12" at 20.299,12.6 h0.6 r270; Mechanical 14 "11" at 21.099,12.6 h0.6 r270; Mechanical 14 "10" at 21.899,12.6 h0.6 r270; Mechanical 14 "9" at 22.699,12.6 h0.6 r270; Mechanical 14 "8" at 23.499,12.6 h0.6 r270; Mechanical 14 "7" at 24.299,12.6 h0.6 r270; Mechanical 14 "6" at 25.099,12.6 h0.6 r270; Mechanical 14 "1" at 29.099,12.6 h0.6 r270; Mechanical 14 "18" at 15.499,12.6 h0.6 r270; Mechanical 14 "19" at 14.699,12.6 h0.6 r270; Mechanical 14 "20" at 13.899,12.6 h0.6 r270; Mechanical 14 "21" at 13.099,12.6 h0.6 r270; Mechanical 14 "22" at 12.299,12.6 h0.6 r270; Mechanical 14 "17" at 16.299,12.6 h0.6 r270
J4: Mechanical 14 "79" at 56.273,10.505 h1 r90; Mechanical 14 "1" at 56.273,30.604 h1 r90; Mechanical 14 "80" at 48.855,10.47 h1 r90; Mechanical 14 "2" at 48.931,30.375 h1 r90; Top Overlay "79" at 56.273,10.505 h1 r90; Top Overlay "1" at 56.273,30.604 h1 r90; Top Overlay "80" at 48.855,10.47 h1 r90; Top Overlay "2" at 48.931,30.375 h1 r90
J5: Mechanical 14 "79" at 84.273,10.505 h1 r90; Mechanical 14 "1" at 84.273,30.604 h1 r90; Mechanical 14 "80" at 76.855,10.47 h1 r90; Mechanical 14 "2" at 76.931,30.375 h1 r90; Top Overlay "79" at 84.273,10.505 h1 r90; Top Overlay "1" at 84.273,30.604 h1 r90; Top Overlay "80" at 76.855,10.47 h1 r90
J8: Mechanical 14 "80" at 2.7,10.184 h1 r270; Mechanical 14 "79" at 10.3,10.148 h1 r270; Mechanical 14 "2" at 2.702,30.52 h1 r270; Mechanical 14 "1" at 10.302,30.637 h1 r270; Bottom Overlay "1" at 10.275,31.9 h1
J9: Mechanical 14 "80" at 30.7,10.184 h1 r270; Mechanical 14 "79" at 38.3,10.148 h1 r270; Mechanical 14 "2" at 30.702,30.52 h1 r270; Mechanical 14 "1" at 38.302,30.637 h1 r270; Bottom Overlay "1" at 40.206,30.116 h1 r270; Bottom Overlay "2" at 30.702,30.52 h1 r270
J10: Notvisible "2.5" at 9.5,45.124 h1.2 r270; Notvisible "3.0" at 9.5,47.624 h1.2 r270